# Altium PCB RYA_KiteUp.PcbDoc (part 1 of 3) (continued)
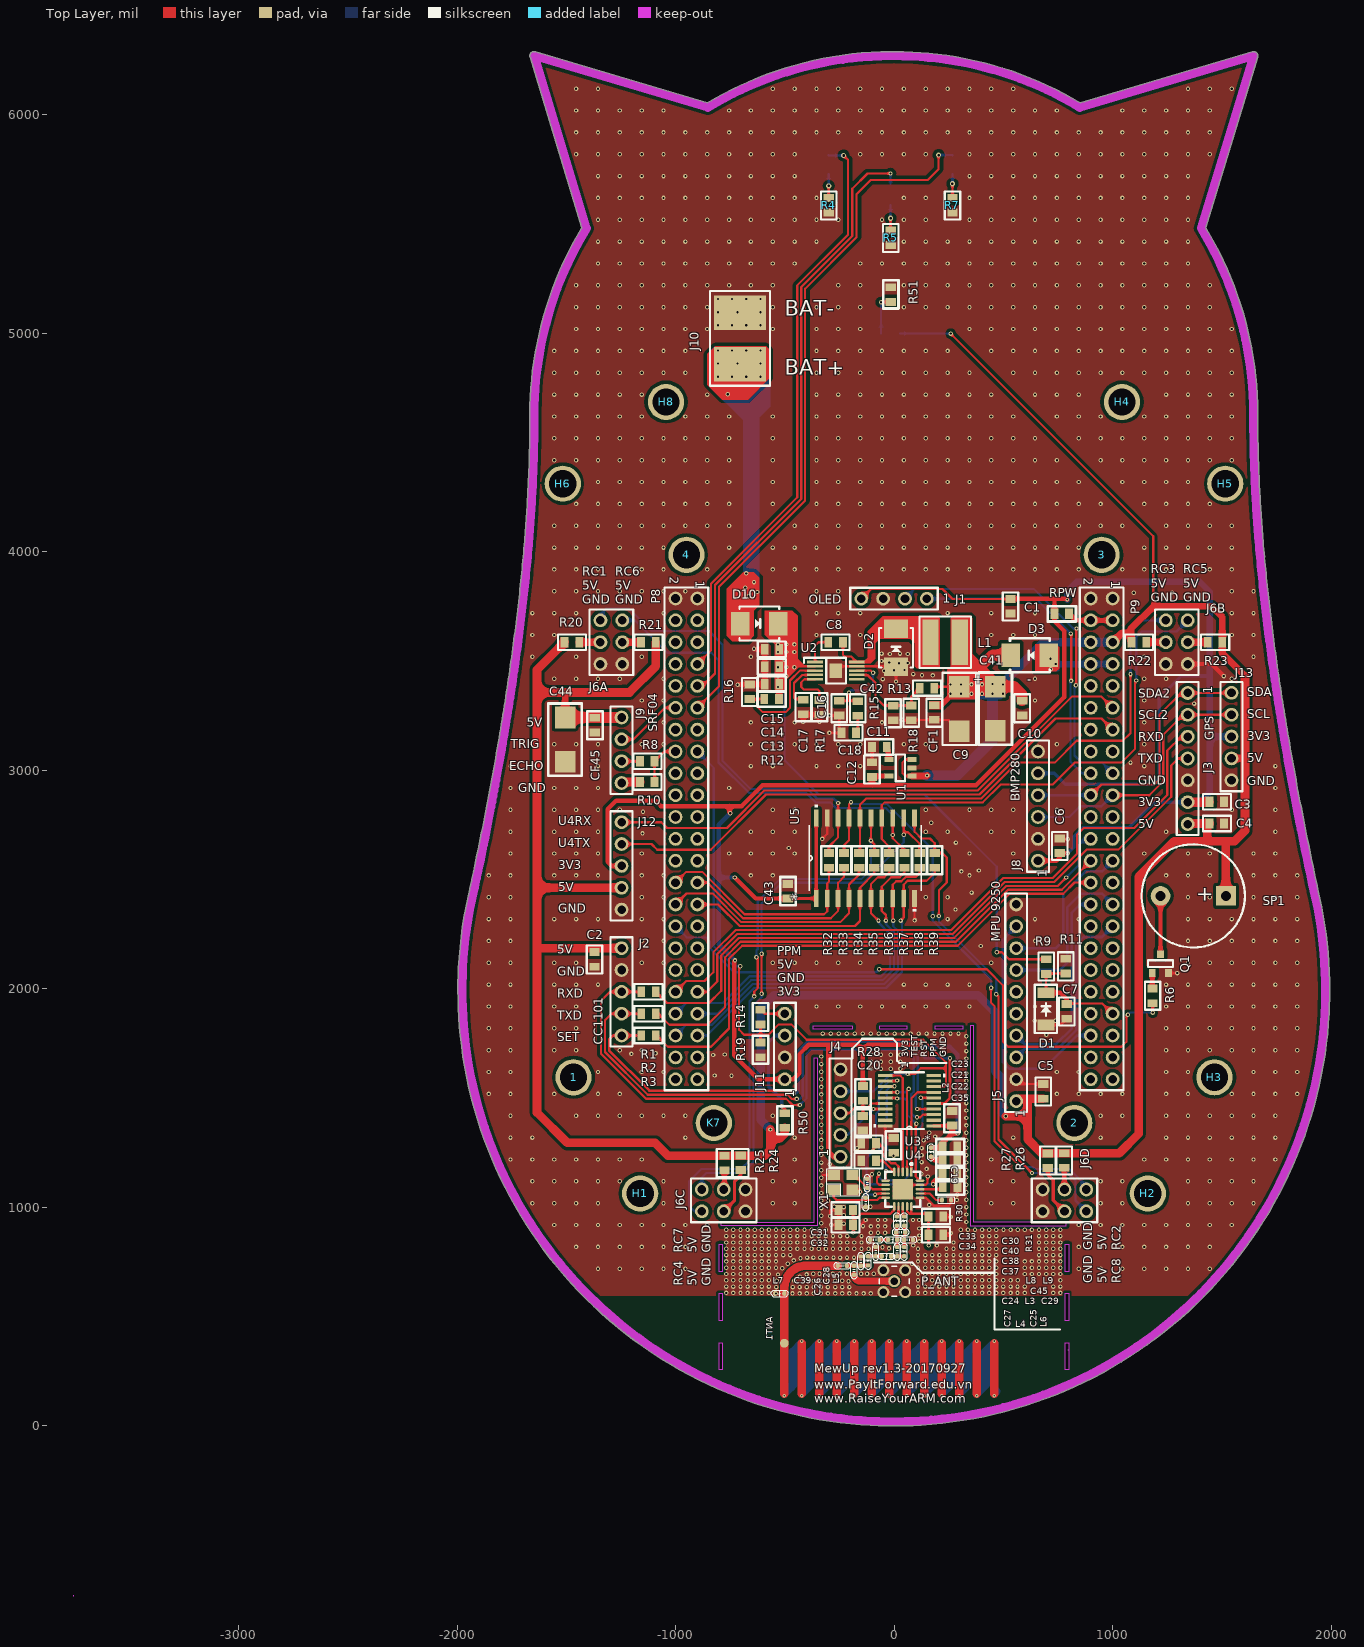
[diagram p0: Top Layer view]
## Footprints (in the part's own frame and the unit in brackets; to place one, negate y for a bottom-side part, rotate by r counter-clockwise, add the part's x,y. Pads: shape width x height; smd on the part's side, far side on the other; paste and mask are expansions set on the pad) (continued)

## Part data
C1 C2 C3 C4 C5 C6 C7 C8 C10 C11 C12 C13 C14 C15 C16 C17 C18 C19 C20 C21 C30 C31 C32 C33 C34 C35 C40 C42 C43 CF1 CF45: library part CAP_NONPOL, "Ceramic capacitor"
  C1 C2 C3 C4 C5 C6 C8 C15 C43 CF1: Link=http://tme.vn/Product.aspx?id=739#page=pro_info
  C7 C10: Link=http://tme.vn/Product.aspx?id=728#page=pro_info
  C11 C17: Link=http://tme.vn/Product.aspx?id=738#page=pro_info
  C12: Link=https://www.digikey.com/product-detail/en/samsung-electro-mechanics-america-inc/CL10B225KP8NNNC/1276-1134-1-ND/3889220
  C13 C14: Link=http://tme.vn/Product.aspx?id=422#page=pro_info
  C16 C42: Link=http://tme.vn/Product.aspx?id=1303#page=pro_info
  C18: Link=http://tme.vn/Product.aspx?id=1310#page=pro_info
C9 C41 C44: library part CAP_TANTA_47uF_16V_POL, "Tantalum SMD capacitor 47uF(+-10%),TAJC476K010RNJ"
  C9 C41: Link=http://tme.vn/Product.aspx?id=304#page=pro_info
C22: library part 100nF-16V-C0402, "CAP CER 2.2UF 10V X5R 0603", Capacitance=2.2µF, Manufacturer=Yageo, Manufacturer Part Number=CC0603KRX5R6BB225, Operating Temperature="-55°C ~ 85°C", Package / Case=0603, Ratings=-, Supplier Part Number 1=311-1451-2-ND, Temperature Coefficient=X5R, Tolerance=±10%, Voltage - Rated=10V, Applications="General Purpose", Category=Capacitors, ComponentLink1Description=http://www.yageo.com/documents/recent/UPY-GPHC_X5R_4V-to-50V-21.pdf, ComponentLink1URL=http://www.yageo.com/documents/recent/UPY-GPHC_X5R_4V-to-50V-21.pdf, Features=-, Height - Seated (Max)=-, Lead Spacing=-, Lead Style=-, Mounting Type="Surface Mount, MLCC", Packaging="Tape & Reel (TR)", Pricing 1="4000=0.01939, 8000=0.01804, 12000=0.01714, 28000=0.01624, 100000=0.01229 (USD)", RoHS="RoHS Compliant", Size / Dimension="0.063\" L x 0.031\" W (1.60mm x 0.80mm)", Stock 1=360000, Supplier 1=Digi-Key, Thickness (Max)="0.035\" (0.90mm)"
C23: library part 10pF-50V-C0402-5%, "CAP CER 4.7UF 10V X5R 0603", Capacitance=4.7µF, Manufacturer=Yageo, Manufacturer Part Number=CC0603KRX5R6BB475, Operating Temperature="-55°C ~ 85°C", Package / Case=0603, Ratings=-, Supplier Part Number 1=311-1455-1-ND, Temperature Coefficient=X5R, Tolerance=±10%, Voltage - Rated=10V, Applications="General Purpose", Category=Capacitors, ComponentLink1Description=http://www.yageo.com/documents/recent/UPY-GPHC_X5R_4V-to-50V-21.pdf, ComponentLink1URL=http://www.yageo.com/documents/recent/UPY-GPHC_X5R_4V-to-50V-21.pdf, Features=-, Height - Seated (Max)=-, Lead Spacing=-, Lead Style=-, Mounting Type="Surface Mount, MLCC", Packaging="Cut Tape (CT)", Pricing 1="1=0.15, 10=0.1, 25=0.0752, 100=0.0476, 250=0.04008, 500=0.03356, 1000=0.02755 (USD)", RoHS="RoHS Compliant", Size / Dimension="0.063\" L x 0.031\" W (1.60mm x 0.80mm)", Stock 1=521169, Supplier 1=Digi-Key, Thickness (Max)="0.035\" (0.90mm)"
C24: library part 3.3pF-50V-C0402-0.25pF, "CAP CER 3.9PF 50V NP0 0402", Capacitance=220pF, Manufacturer="Murata Electronics North America", Manufacturer Part Number=GRM1555C1H221JA01D, Operating Temperature="-55°C ~ 125°C", Package / Case=0402, Ratings=-, Supplier Part Number 1=490-1293-2-ND, Temperature Coefficient="C0G, NP0", Tolerance=±5%, Voltage - Rated=50V, Applications="General Purpose", Category=Capacitors, ComponentLink1Description=http://www.murata.com/~/media/webrenewal/support/library/catalog/products/capacitor/mlcc/c02e.pdf, ComponentLink1URL=http://www.murata.com/~/media/webrenewal/support/library/catalog/products/capacitor/mlcc/c02e.pdf, Features=-, Height - Seated (Max)=-, Lead Spacing=-, Lead Style=-, Mounting Type="Surface Mount, MLCC", Packaging="Tape & Reel (TR)", Pricing 1="10000=0.00336, 20000=0.0032, 30000=0.00304, 50000=0.00272, 100000=0.0022 (USD)", RoHS="RoHS Compliant", Size / Dimension="0.039\" L x 0.020\" W (1.00mm x 0.50mm)", Stock 1=470000, Supplier 1=Digi-Key, Thickness (Max)="0.022\" (0.55mm)"
C25 C29: library part 3.3pF-50V-C0402-0.25pF, "CAP CER 3.9PF 50V NP0 0402", Capacitance=3.9pF, Manufacturer="Murata Electronics North America", Manufacturer Part Number=GRM1555C1H3R9CZ01D, Operating Temperature="-55°C ~ 125°C", Package / Case=0402, Ratings=-, Supplier Part Number 1=490-1272-2-ND, Temperature Coefficient="C0G, NP0", Tolerance=±0.25pF, Voltage - Rated=50V, Applications="General Purpose", Category=Capacitors, ComponentLink1Description=http://media.digikey.com/pdf/Data%20Sheets/Murata%20PDFs/Chip%20Monolithic%20Ceramic%20Caps.pdf, ComponentLink1URL=http://media.digikey.com/pdf/Data%20Sheets/Murata%20PDFs/Chip%20Monolithic%20Ceramic%20Caps.pdf, Features=-, Height - Seated (Max)=-, Lead Spacing=-, Lead Style=-, Mounting Type="Surface Mount, MLCC", Packaging="Tape & Reel (TR)", Pricing 1="10000=0 (USD)", RoHS="RoHS Compliant", Size / Dimension="0.039\" L x 0.020\" W (1.00mm x 0.50mm)", Stock 1=0, Supplier 1=Digi-Key, Thickness (Max)="0.022\" (0.55mm)"
C26: library part 3.3pF-50V-C0402-0.25pF, "CAP CER 3.9PF 50V NP0 0402", Capacitance="220pF (DNP)", Manufacturer="Murata Electronics North America", Manufacturer Part Number=GRM1555C1H221JA01D, Operating Temperature="-55°C ~ 125°C", Package / Case=0402, Ratings=-, Supplier Part Number 1=490-1293-2-ND, Temperature Coefficient="C0G, NP0", Tolerance=±5%, Voltage - Rated=50V, Applications="General Purpose", Category=Capacitors, ComponentLink1Description=http://www.murata.com/~/media/webrenewal/support/library/catalog/products/capacitor/mlcc/c02e.pdf, ComponentLink1URL=http://www.murata.com/~/media/webrenewal/support/library/catalog/products/capacitor/mlcc/c02e.pdf, Features=-, Height - Seated (Max)=-, Lead Spacing=-, Lead Style=-, Mounting Type="Surface Mount, MLCC", Packaging="Tape & Reel (TR)", Pricing 1="10000=0.00336, 20000=0.0032, 30000=0.00304, 50000=0.00272, 100000=0.0022 (USD)", RoHS="RoHS Compliant", Size / Dimension="0.039\" L x 0.020\" W (1.00mm x 0.50mm)", Stock 1=470000, Supplier 1=Digi-Key, Thickness (Max)="0.022\" (0.55mm)"
C27: library part 8.2pF-50V-C0402-0.5pF, "GRM1555C1H8R2CZ01D", Capacitance=8.2pF, Manufacturer="Murata Electronics North America", Operating Temperature="-55°C ~ 125°C", Package / Case=0402, Ratings=-, Supplier Part Number 1=GRM1555C1H8R2CZ01D-ND, Temperature Coefficient="C0G, NP0", Tolerance=±0.25pF, Voltage - Rated=50V, Applications="General Purpose", Category=Capacitors, ComponentLink1Description=http://media.digikey.com/pdf/Data%20Sheets/Murata%20PDFs/Chip%20Monolithic%20Ceramic%20Caps.pdf, ComponentLink1URL=http://media.digikey.com/pdf/Data%20Sheets/Murata%20PDFs/Chip%20Monolithic%20Ceramic%20Caps.pdf, Features=-, Height - Seated (Max)=-, Lead Spacing=-, Lead Style=-, Manufacturer Part Number=GRM1555C1H8R2CZ01D, Mounting Type="Surface Mount, MLCC", Packaging="Tape & Reel (TR)", Pricing 1="60000=0 (USD)", RoHS="RoHS Compliant", Size / Dimension="0.039\" L x 0.020\" W (1.00mm x 0.50mm)", Stock 1=0, Supplier 1=Digi-Key, Thickness (Max)="0.022\" (0.55mm)"
C28: library part 5.6pF-50V-C0402-0.5pF, "CAP CER 5.6PF 50V NP0 0402", Capacitance=5.6pF, Manufacturer="Murata Electronics North America", Manufacturer Part Number=GRM1555C1H5R6CZ01D, Operating Temperature="-55°C ~ 125°C", Package / Case=0402, Ratings=-, Supplier Part Number 1=GRM1555C1H5R6CZ01D-ND, Temperature Coefficient="C0G, NP0", Tolerance=±0.25pF, Voltage - Rated=50V, Applications="General Purpose", Category=Capacitors, ComponentLink1Description=http://media.digikey.com/pdf/Data%20Sheets/Murata%20PDFs/Chip%20Monolithic%20Ceramic%20Caps.pdf, ComponentLink1URL=http://media.digikey.com/pdf/Data%20Sheets/Murata%20PDFs/Chip%20Monolithic%20Ceramic%20Caps.pdf, Features=-, Height - Seated (Max)=-, Lead Spacing=-, Lead Style=-, Mounting Type="Surface Mount, MLCC", Packaging="Tape & Reel (TR)", Pricing 1="60000=0 (USD)", RoHS="RoHS Compliant", Size / Dimension="0.039\" L x 0.020\" W (1.00mm x 0.50mm)", Stock 1=0, Supplier 1=Digi-Key, Thickness (Max)="0.022\" (0.55mm)"
C37 C38: library part 10pF-50V-C0402-5%, "CAP CER 10PF 50V NPO 0402", Digi-Key Part Number=311-1014-1-ND, Manufacturer=Yageo, Manufacturer Part Number=CC0402JRNPO9BN100, Unit Price=0.00312
C39: library part 3.3pF-50V-C0402-0.25pF, "CAP CER 3.9PF 50V NP0 0402", Capacitance=0.9pF, Manufacturer="Murata Electronics North America", Manufacturer Part Number=GRM1555C1H221JA01D, Operating Temperature="-55°C ~ 125°C", Package / Case=0402, Ratings=-, Supplier Part Number 1=490-1293-2-ND, Temperature Coefficient="C0G, NP0", Tolerance=±5%, Voltage - Rated=50V, Applications="General Purpose", Category=Capacitors, ComponentLink1Description=http://www.murata.com/~/media/webrenewal/support/library/catalog/products/capacitor/mlcc/c02e.pdf, ComponentLink1URL=http://www.murata.com/~/media/webrenewal/support/library/catalog/products/capacitor/mlcc/c02e.pdf, Features=-, Height - Seated (Max)=-, Lead Spacing=-, Lead Style=-, Mounting Type="Surface Mount, MLCC", Packaging="Tape & Reel (TR)", Pricing 1="10000=0.00336, 20000=0.0032, 30000=0.00304, 50000=0.00272, 100000=0.0022 (USD)", RoHS="RoHS Compliant", Size / Dimension="0.039\" L x 0.020\" W (1.00mm x 0.50mm)", Stock 1=470000, Supplier 1=Digi-Key, Thickness (Max)="0.022\" (0.55mm)"
C45: library part 3.3pF-50V-C0402-0.25pF, "CAP CER 3.9PF 50V NP0 0402", Capacitance=TBD, Manufacturer="Murata Electronics North America", Manufacturer Part Number=GRM1555C1H3R9CZ01D, Operating Temperature="-55°C ~ 125°C", Package / Case=0402, Ratings=-, Supplier Part Number 1=490-1272-2-ND, Temperature Coefficient="C0G, NP0", Tolerance=±0.25pF, Voltage - Rated=50V, Applications="General Purpose", Category=Capacitors, ComponentLink1Description=http://media.digikey.com/pdf/Data%20Sheets/Murata%20PDFs/Chip%20Monolithic%20Ceramic%20Caps.pdf, ComponentLink1URL=http://media.digikey.com/pdf/Data%20Sheets/Murata%20PDFs/Chip%20Monolithic%20Ceramic%20Caps.pdf, Features=-, Height - Seated (Max)=-, Lead Spacing=-, Lead Style=-, Mounting Type="Surface Mount, MLCC", Packaging="Tape & Reel (TR)", Pricing 1="10000=0 (USD)", RoHS="RoHS Compliant", Size / Dimension="0.039\" L x 0.020\" W (1.00mm x 0.50mm)", Stock 1=0, Supplier 1=Digi-Key, Thickness (Max)="0.022\" (0.55mm)"
D3 D10: library part SS24, Link=http://tme.vn/Product.aspx?id=639#page=pro_info
J1 J9 J11: library part "Header 4"
J2: library part "Header 5"
J3: library part "Header 7"
J10: library part VBATHEADER
L1: library part Inductor
L2: library part 8.2nH-500mA-0402, "FERRITE BEAD 1 KOHM 0402 1LN", Current Rating (Max)=250mA, DC Resistance (DCR) (Max)="1.1 Ohm", Impedance @ Frequency="1 kOhm @ 100MHz", Manufacturer="Murata Electronics North America", Manufacturer Part Number=BLM15HG102SN1D, Operating Temperature="-55°C ~ 125°C", Package / Case=0402, Ratings=-, Supplier Part Number 1=490-3999-2-ND, Category=Filters, ComponentLink1Description=http://search.murata.co.jp/Ceramy/image/img/PDF/ENG/L0110S0101BLM15H.pdf, ComponentLink1URL=http://search.murata.co.jp/Ceramy/image/img/PDF/ENG/L0110S0101BLM15H.pdf, Filter Type="Signal Line", Height (Max)="0.022\" (0.55mm)", Mounting Type="Surface Mount", Number of Lines=1, Packaging="Tape & Reel (TR)", Pricing 1="10000=0.0509, 20000=0.04844, 30000=0.04713 (USD)", RoHS="RoHS Compliant", Size / Dimension="0.039\" L x 0.020\" W (1.00mm x 0.50mm)", Stock 1=230000, Supplier 1=Digi-Key
L3 L5 L6: library part 8.2nH-500mA-0402, "FIXED IND 27NH 300MA 460 MOHM", Current - Saturation=-, Current Rating=300mA, DC Resistance (DCR)="460 mOhm Max", Frequency - Self Resonant=1.7GHz, Frequency - Test=100MHz, Inductance=27nH, Manufacturer="Murata Electronics North America", Manufacturer Part Number=LQG15HS27NJ02D, Operating Temperature="-55°C ~ 125°C", Package / Case=0402, Q @ Freq="8 @ 100MHz", Supplier Part Number 1=490-2628-2-ND, Tolerance=±5%, Category="Inductors, Coils, Chokes", ComponentLink1Description=http://search.murata.co.jp/Ceramy/image/img/PDF/ENG/L0075S0083LQG15HS.pdf, ComponentLink1URL=http://search.murata.co.jp/Ceramy/image/img/PDF/ENG/L0075S0083LQG15HS.pdf, Height - Seated (Max)="0.022\" (0.55mm)", Material - Core=Air, Mounting Type="Surface Mount", Packaging="Tape & Reel (TR)", Pricing 1="10000=0.01872, 30000=0.01814, 50000=0.01755, 100000=0.01697 (USD)", Ratings=-, RoHS="RoHS Compliant", Shielding=Unshielded, Size / Dimension="0.039\" L x 0.020\" W (1.00mm x 0.50mm)", Stock 1=120000, Supplier 1=Digi-Key, Type=Multilayer
L4: library part 8.2nH-500mA-0402, "FIXED IND 22NH 300MA 420 MOHM", Current - Saturation=-, Current Rating=300mA, DC Resistance (DCR)="420 mOhm Max", Frequency - Self Resonant=1.9GHz, Frequency - Test=100MHz, Inductance=22nH, Manufacturer="Murata Electronics North America", Manufacturer Part Number=LQG15HS22NJ02D, Operating Temperature="-55°C ~ 125°C", Package / Case=0402, Q @ Freq="8 @ 100MHz", Supplier Part Number 1=490-2627-1-ND, Tolerance=±5%, Category="Inductors, Coils, Chokes", ComponentLink1Description=http://search.murata.co.jp/Ceramy/image/img/PDF/ENG/L0075S0083LQG15HS.pdf, ComponentLink1URL=http://search.murata.co.jp/Ceramy/image/img/PDF/ENG/L0075S0083LQG15HS.pdf, Height - Seated (Max)="0.022\" (0.55mm)", Material - Core=Air, Mounting Type="Surface Mount", Packaging="Cut Tape (CT)", Pricing 1="1=0.1, 10=0.059, 25=0.0528, 50=0.0456, 100=0.041, 250=0.03804, 500=0.0351, 750=0.03335, 1000=0.03042 (USD)", Ratings=-, RoHS="RoHS Compliant", Shielding=Unshielded, Size / Dimension="0.039\" L x 0.020\" W (1.00mm x 0.50mm)", Stock 1=250711, Supplier 1=Digi-Key, Type=Multilayer
L7: library part 8.2nH-500mA-0402, "FIXED IND 27NH 300MA 460 MOHM", Current - Saturation=-, Current Rating=300mA, DC Resistance (DCR)="460 mOhm Max", Frequency - Self Resonant=1.7GHz, Frequency - Test=100MHz, Inductance=56nH, Manufacturer="Murata Electronics North America", Manufacturer Part Number=LQG15HS27NJ02D, Operating Temperature="-55°C ~ 125°C", Package / Case=0402, Q @ Freq="8 @ 100MHz", Supplier Part Number 1=490-2628-2-ND, Tolerance=±5%, Category="Inductors, Coils, Chokes", ComponentLink1Description=http://search.murata.co.jp/Ceramy/image/img/PDF/ENG/L0075S0083LQG15HS.pdf, ComponentLink1URL=http://search.murata.co.jp/Ceramy/image/img/PDF/ENG/L0075S0083LQG15HS.pdf, Height - Seated (Max)="0.022\" (0.55mm)", Material - Core=Air, Mounting Type="Surface Mount", Packaging="Tape & Reel (TR)", Pricing 1="10000=0.01872, 30000=0.01814, 50000=0.01755, 100000=0.01697 (USD)", Ratings=-, RoHS="RoHS Compliant", Shielding=Unshielded, Size / Dimension="0.039\" L x 0.020\" W (1.00mm x 0.50mm)", Stock 1=120000, Supplier 1=Digi-Key, Type=Multilayer
L8 L9: library part 8.2nH-500mA-0402, "FIXED IND 27NH 300MA 460 MOHM", Current - Saturation=-, Current Rating=300mA, DC Resistance (DCR)="460 mOhm Max", Frequency - Self Resonant=1.7GHz, Frequency - Test=100MHz, Inductance=0R, Manufacturer="Murata Electronics North America", Manufacturer Part Number=LQG15HS27NJ02D, Operating Temperature="-55°C ~ 125°C", Package / Case=0402, Q @ Freq="8 @ 100MHz", Supplier Part Number 1=490-2628-2-ND, Tolerance=±5%, Category="Inductors, Coils, Chokes", ComponentLink1Description=http://search.murata.co.jp/Ceramy/image/img/PDF/ENG/L0075S0083LQG15HS.pdf, ComponentLink1URL=http://search.murata.co.jp/Ceramy/image/img/PDF/ENG/L0075S0083LQG15HS.pdf, Height - Seated (Max)="0.022\" (0.55mm)", Material - Core=Air, Mounting Type="Surface Mount", Packaging="Tape & Reel (TR)", Pricing 1="10000=0.01872, 30000=0.01814, 50000=0.01755, 100000=0.01697 (USD)", Ratings=-, RoHS="RoHS Compliant", Shielding=Unshielded, Size / Dimension="0.039\" L x 0.020\" W (1.00mm x 0.50mm)", Stock 1=120000, Supplier 1=Digi-Key, Type=Multilayer
LED1 LED2 LED3 LED4 LED_PW: "LED Blue", ComponentLink1Description=Datasheet, ComponentLink1URL="D:\Dropbox\Datasheets\Opto and Illumination\LEDs\SMD LED.pdf", Unit Price=0.0476
  LED1 LED2 LED3: Link=http://tme.vn/Product.aspx?id=2014#page=pro_info
  LED_PW: Link=http://tme.vn/Product.aspx?id=2016#page=pro_info
P_ANT: "RF Coaxial PCB Connector, MMCX; Thru-Hole, Vertical Mount Plug,  50 Ohm Impedance", PackageDocument="Rev. A, 16-Jun-1997", ComponentLink1Description="Manufacturer Link", ComponentLink1URL=http://www.amphenolrf.com/, DatasheetDocument=30-May-2003, DrillSize="Corresponds to nominal value.", LatestRevisionDate=15-Jul-2004, LatestRevisionNote="Component Replaced.", PackageReference=908-21103, PCB_Layout="Complies with manufacturer's recommendation.", Published=15-Jul-2004, Publisher="Altium Limited"
R1 R2 R3 R4 R5 R6 R7 R8 R9 R10 R11 R12 R13 R14 R15 R16 R17 R18 R19 R20 R21 R22 R23 R24 R25 R26 R27 R28 R31 R32 R33 R34 R35 R36 R37 R38 R39 R50 R51 RPW: library part "Res 1/4W", "Resistor through hole 1/4W"
  R4 R5 R7 R11: Link=http://tme.vn/Product.aspx?id=711#page=pro_info
  R6 R9 R18: Link=http://tme.vn/Product.aspx?id=712#page=pro_info
  R8 R14 R51: Link=http://tme.vn/Product.aspx?id=737#page=pro_info
  R10: Link=http://tme.vn/Product.aspx?id=722#page=pro_info
  R12: Link=https://www.digikey.com/product-detail/en/yageo/RC0603FR-07332KL/311-332KHRCT-ND/730112
  R13: Link=https://www.digikey.com/product-detail/en/yageo/RC0603FR-0752K3L/311-52.3KHRCT-ND/730237
  R15 R17: Link=https://www.digikey.com/product-detail/en/yageo/RC0603FR-0790K9L/311-90.9KHRCT-ND/730371
  R16: Link=https://www.digikey.com/product-detail/en/yageo/RC0603FR-0761K9L/311-61.9KHRCT-ND/730279
R30: library part 56k-1%-R0402, "RES 56.0K OHM 1/16W 1% 0402 SMD", Digi-Key Part Number=311-56.0KLRTR-ND, Manufacturer=Yageo, Manufacturer Part Number=RC0402FR-0756KL, Unit Price=0.00149
SP1: "Buzzer through hole (3V3/5V/12V)", Link=http://tme.vn/Product.aspx?id=1112#page=pro_info
U3: "Imported", Manufacturer="Texas Instruments", Manufacturer_Part_Number=msp430g2553_pw_20, PACKAGE_DESIGNATOR=PW, Datasheet_URL=http://www.ti.com/lit/gpn/MSP430G2553, FAMILY_NAME="Value Line", GENERIC_PART_NUMBER=MSP430G2553, INDUSTRY_STD_PKG_TYPE=TSSOP, PIN_COUNT=20, RefDes=RefDes, Type=Type, Vendor="Texas Instruments"
U4: "IC RF TXRX ISM<1GHZ 20-VFQFN", Current - Receiving="14.3mA ~ 17.1mA", Current - Transmitting="12.3mA ~ 34.2mA", Frequency="300MHz ~ 348MHz, 387MHz ~ 464MHz, 779MHz ~ 928MHz", Manufacturer="Texas Instruments", Operating Temperature="-40°C ~ 85°C", Package / Case="20-VFQFN Exposed Pad", Power - Output=12dBm, Supplier Part Number 1=296-35719-2-ND, Voltage - Supply="1.8 V ~ 3.6 V", Category="RF/IF and RFID", ComponentLink1Description=http://www.ti.com/lit/ds/symlink/cc110l.pdf, ComponentLink1URL=http://www.ti.com/lit/ds/symlink/cc110l.pdf, Data Rate (Max)=600kbps, GPIO=-, Manufacturer Part Number=CC110LRGPR, Memory Size=-, Modulation="2FSK, 4FSK, GFSK, MSK, OOK", Packaging="Tape & Reel (TR)", Pricing 1="3000=1.9285, 6000=1.84875, 15000=1.8125 (USD)", Protocol=-, RF Family/Standard="General ISM < 1GHz", RoHS="RoHS Compliant", Sensitivity=-116dBm, Serial Interfaces=SPI, Stock 1=0, Supplier 1=Digi-Key, Type="TxRx Only"
U5: "Imported", Manufacturer="Texas Instruments", Manufacturer_Part_Number=sn74hct245_db_20, PACKAGE_DESIGNATOR=DB, Datasheet_URL=http://www.ti.com/lit/gpn/SN74HCT245, FAMILY_NAME="STANDARD TRANSCEIVER", GENERIC_PART_NUMBER=SN74HCT245, INDUSTRY_STD_PKG_TYPE=SSOP, Link=http://tme.vn/Product.aspx?id=500#page=pro_info, PIN_COUNT=20, RefDes=RefDes, Type=Type, Vendor="Texas Instruments"
X1: library part CX3225SB26000D0FFFCC, "CRYSTAL 26.0000MHZ 8PF SMD", ESR (Equivalent Series Resistance)="50 Ohm", Frequency=26MHz, Frequency Stability=±15ppm, Frequency Tolerance=±10ppm, Load Capacitance=8pF, Manufacturer="AVX Corp/Kyocera Corp", Operating Mode=Fundamental, Operating Temperature="-20°C ~ 70°C", Package / Case="4-SMD, No Lead (DFN, LCC)", Ratings=-, Supplier Part Number 1=1253-1354-2-ND, Category="Crystals and Oscillators", ComponentLink1Description=http://media.digikey.com/pdf/Data%20Sheets/Optrex%20PDFs/CX3225SByyy00D0FFFCC_Spec.pdf, ComponentLink1URL=http://media.digikey.com/pdf/Data%20Sheets/Optrex%20PDFs/CX3225SByyy00D0FFFCC_Spec.pdf, Height="0.024\" (0.60mm)", Manufacturer Part Number=CX3225SB26000D0FFFCC, Mounting Type="Surface Mount", Packaging="Tape & Reel (TR)", Pricing 1="3000=0.406, 6000=0.392, 15000=0.378 (USD)", RoHS="RoHS Compliant", Size / Dimension="0.126\" L x 0.098\" W (3.20mm x 2.50mm)", Stock 1=3000, Supplier 1=Digi-Key, Type="MHz Crystal"
ANT1: LatestRevisionDate=17-Jul-2002, LatestRevisionNote="Re-released for DXP Platform.", Publisher="Altium Limited"
D2: Link=http://tme.vn/Product.aspx?id=1408#page=pro_info
Q1: Link=http://tme.vn/Product.aspx?id=415#page=pro_info

## Via types
v1: diameter 20, hole 10, Top Layer to Bottom Layer, tented both sides, 1654 vias
v2: diameter 16, hole 8, Top Layer to Bottom Layer, tented both sides, 26 vias
v3: diameter 23.62, hole 11.81, Top Layer to Bottom Layer, tented both sides, 5 vias

## Nets (pads, with @x,y where several pads share a name; then routed paths per layer and width w, separated by ;. In a path a pad name is that pad's centre, name@x,y a point inside that pad or via, vN(x,y) a via of type N, cw(c..) or ccw(c..) an arc to the next point about the centre after c; other vN are vias at no path point)
3V3: C1.2 C4.2 C6.1 C12.2 C19.1 C23.2 C43.2 J1.4 J3.6 J4.1 J8.1 J8.5 J11.1 J12.3 J13.3 L2.2 R28.1 RPW.2 U1.5 U3.1 U5.1 U5.20 | length 12993
  Top Layer w10: J1.4@-150.1,3784.94 -105.6,3829.44 221.41,3829.44 266.98,3783.87 C1.2@532.9,3783.87
  Top Layer w15: -616,2413 -356.5,2413 U5.20@-356.5,2782 ; U3.1@181.1,1372.83 C19.1@264.76,1372.83 ; C6.1@758.85,2620 v1(794,2620)
  Top Layer w20: J12.3@-1247.04,2562.27 -1292.27,2562.27 -1311,2581 -1311,2821 -1272,2860 -1091,2860 -1067,2836 -753,2836 ; v1(-750,2803) -753,2806 -753,2836 ; v1(-729,2509) -633.07,2413.07 C43.2@-486,2413.07 ; v1(-728,2130) -732,2126 -732,1696 -621.93,1585.93 J11.1@-499.97,1585.93 -461.07,1585.93 -433,1614 -433,1701 -390,1744 -300.81,1744 ; -299,1742.19 -300.81,1744 ; R28.1@-142.54,1554.91 -142.54,1720.46 ; U1.5@-24.05,2973.65 -96.38,2973.65 C12.2@-100.9,2969.13 -100.9,2931 ; v1(123,1744) -119,1744 -142.54,1720.46 ; L2.2@169,1273 217.77,1273 C23.2@222.07,1277.3 222.07,1295.31 264.76,1338 ; C19.1@264.76,1372.83 264.76,1338 ; v1(291,1338) 264.76,1338 ; C1.2@533.98,3784.94 789,3784.94 792.94,3781 v2(793,3781) ; J8.1@658.79,2585.93 742.89,2585.93 757.9,2600.94 C6.1@757.9,2620.94 ; 734.07,3784.87 RPW.2@734.07,3716 734.07,3681.93 778.9,3637.1 778.9,3334.89 375.02,2931 -100.9,2931 ; -753,2836 -696.98,2836 -601.98,2931 -100.9,2931 ; -300.81,1744 -166.07,1744 -142.54,1720.46
  Top Layer w23.62: -299,1742.19 -299,1253 -276.94,1230.94 J4.1@-245.1,1230.94 J4.1@-241.1,1230.94
  Top Layer w40: J3.6@1343.82,2853.78 1440.81,2853.78 C4.2@1442.98,2855.94
  Bottom Layer w15: J8.5@658.79,2985.93 733.92,2985.93 783.9,2935.94 1186.94,2935.94 1214,2963 1214,3332 1312.94,3430.94 1444.06,3430.94 ; v1(794,2620) 822,2648 822,2696 863,2737 1074,2737 1190.78,2853.78 J3.6@1343.82,2853.78
  Bottom Layer w20: v1(-750,2803) -802,2751 -802,2509 ; v1(-729,2509) -802,2509 ; v1(-728,2130) -802,2204 -802,2509 ; v1(123,1744) 133,1734 255,1734 290,1699 290,1339 v1(291,1338)
  Bottom Layer w30: v2(793,3781) 793,3819 837,3863 1399,3863 1445,3817 1445,3430 ; J3.6@1343.82,2853.78 1397.78,2853.78 1445,2901 1445,3154 ; 1444.06,3430.94 1445,3430 ; 1445.17,3154.17 1445,3154 ; J13.3@1543.94,3154 1445,3154 ; 1445,3154 1445,3430
3V3_BBG: P9.3 P9.4 RPW.1 | length 211.5
  Top Layer w20: RPW.1@801,3716 831.07,3685.93 P9.4@900.03,3685.93 P9.3@1000.03,3685.93
5V: C2.2 C3.2 C5.1 C9.1 C10.2 C41.1 C44.1 CF1.2 CF45.2 D3.2 J2.5 J3.7 J5.1 J9.1 J12.4 J13.4 L1.2 LED_PW.1 P9.5 P9.6 R13.1 R20.2 R21.1 R22.2 R23.1 R24.2 R25.1 R26.2 R27.1 R50.2 SP1.1 U1.1 U1.3 | length 17034.4
  Top Layer w10: U1.1@82.25,2973.65 51.5,2973.65 39.1,2986.06 39.1,3036.06 51.5,3048.46 U1.3@82.25,3048.46 ; CF1.2@183.9,3297.52 214.1,3297.52 C9.1@298.9,3382.32 ; R13.1@183.9,3375.94 190.28,3382.32 C9.1@298.9,3382.32 ; v1(259,4998) 1186.24,4070.76 1186.24,3750.24 ; L1.2@300.83,3585.94 300.83,3384.25 C9.1@298.9,3382.32 ; C9.1@304.32,3382.32 414.46,3382.32 C41.1@443.43,3353.35
  Top Layer w30: C44.1@-1505,3241.38 -1505,3354.94 ; U1.1@82.25,2973.65 148.65,2973.65 v1(151,2976)
  Top Layer w31.5: P9.5@1000.03,3585.93 1041.1,3627 1083.9,3627 ; R22.2@1083.9,3585.67 1083.9,3627 ; J13.4@1544.12,3054.17 1604.38,3054.17 ; 1605.95,3430.55 1502.01,3534.49 R23.1@1502.01,3585.93 1502.01,3700.24 1452.01,3750.24 1186.24,3750.24 1083.9,3647.9 1083.9,3627
  Top Layer w39.37: -1634,3459.97 R20.2@-1508.02,3585.94 ; -1633.07,2185.93 -1347.04,2185.93 ; -1094,1295 -1034.94,1235.94 R25.1@-776.1,1235.94 -591.06,1235.94 -566.1,1260.9 -566.1,1316 ; -1091.1,3475.94 R21.1@-1091.1,3585.94 ; v1(-566.1,1355.94) -566.1,1316 ; R50.2@-500.04,1364 -500.04,1337.96 -522,1316 -566.1,1316 ; C9.1@298.9,3382.32 C9.1@304.32,3382.32 ; v1(511,1417) 611.98,1417 611.98,1311.02 675.13,1247.87 R26.2@778.9,1247.87 1030.83,1247.87 1118.89,1335.93 1118.89,2512.89 1282,2676 1448,2676 ; 1432.98,2691.02 1448,2676 ; SP1.1@1518.61,2425 1518.61,2675.61 ; 1605.95,3430.55 1605.95,2723 1558.95,2676 1448,2676
  Top Layer w40: -1634,3459.97 -1634,3355.94 ; -1347.04,2185.93 J2.5@-1247.04,2185.93 ; J12.4@-1247.04,2462.27 -1634,2462.27 ; -1094,1295 -1495,1295 -1634,1434 -1634,2462.27 ; -1091.1,3475.94 -1211.13,3355.91 -1247.04,3355.91 -1247.07,3355.94 -1634,3355.94 ; J5.1@559,1486 570,1497 618,1497 ; 611.98,1417 611.98,1490.98 618,1497 ; C5.1@682,1497 618,1497 ; J3.7@1343.82,2753.78 1345.98,2755.94 C3.2@1432.98,2755.94 ; 1432.98,2691.02 C3.2@1432.98,2755.94 ; C3.2@1442.98,2755.94 C3.2@1432.98,2755.94 ; -1634,2462.27 -1634,3355.94
  Top Layer w50: C44.1@-1505,3241.38 J9.1@-1247.17,3241.38 ; C9.1@304.32,3382.32 448,3526 D3.2@533.99,3526 ; C41.1@463,3383.23 549.77,3383.23 586,3347 C10.2@586,3317.93
  Bottom Layer w10: LED_PW.1@27.31,4998 v1(259,4998)
  Bottom Layer w39.37: v1(-566.1,1355.94) -610,1399.85 -610,1911 -550,1971 383,1971 463,1891 463,1622 493,1592 493,1435 v1(511,1417) ; 298.9,3382.32 354.54,3382.32 481.32,3382.32 684.93,3585.93 P9.6@900.03,3585.93 P9.5@1000.03,3585.93
  Bottom Layer w50: v1(151,2976) 152,2975 287,2975 450.18,3138.18 v1(450.18,3350)
  other v1: 258.9,3350 306.72,3350 354.54,3350 402.36,3350 498,3350 258.9,3392.94 306.72,3392.94 354.54,3392.94 402.36,3392.94 498,3392.94 450.18,3395
5V_BBG: D3.1 P9.7 P9.8 | length 312
  Top Layer w30: D3.1@688.01,3486 D3.1@739.86,3486
  Bottom Layer w30: v1(739.93,3485.93) P9.8@900.03,3485.93 P9.7@1000.03,3485.93
  other v1: 717,3463 716,3510
+3.3V_CC110: C21.2 C22.2 C30.2 C31.2 C32.2 C33.2 C34.2 C35.2 L2.1 U4.4 U4.9 U4.11 U4.14 U4.15 U4.18 | length 2314.1
  Top Layer w10: C31.2@-187.5,987.98 -187.5,947.94 ; v1(-186.1,884.73) -186.1,903.51 -187.5,904.91 C32.2@-187.5,919.91 -187.5,947.94 ; v1(-95,1256) -95,1302.78 -94,1303.78 C30.2@-83.17,1292.94 -70.49,1292.94 -49.77,1272.23 -49.77,1237.45 -14.33,1202 6,1202 20.22,1187.78 U4.4@20.22,1161.68 ; v1(-87.1,1057.94) -81.78,1063.26 U4.9@-38.84,1063.26 ; U4.11@0.53,1004.2 0.53,987.53 -16.06,970.94 -151.1,970.94 -174.1,947.94 -187.5,947.94 ; U4.14@59.59,1004.2 59.59,982.41 71.06,970.94 78.9,970.94 ; U4.15@79.27,1004.2 79.27,971.31 78.9,970.94 ; U4.18@118.64,1082.94 212.98,1082.94 C35.2@222.98,1092.94 ; v1(158.9,825.94) 157.98,826.87 C34.2@157.98,874.91 C33.2@157.98,957.98 145.01,970.94 78.9,970.94
  Top Layer w20: L2.1@169,1231 183.85,1216.15 C21.2@222.07,1216.15 C22.2@222.07,1155 222.07,1125.94 ; v1(178.9,1105.94) 178.9,1114.94 189.9,1125.94 222.07,1125.94 ; C35.2@222.98,1092.94 222.07,1093.85 222.07,1125.94
  Bottom Layer w10: v1(-186.1,884.73) -186.1,997.9 -126.1,1057.9 ; -126.04,1105.94 125.9,1105.94 ; v1(-95,1256) -126.1,1224.9 -126.1,1057.9 ; v1(-87.1,1057.94) -126.06,1057.94 -126.1,1057.9 ; v1(158.9,825.94) 158.9,961.94 125.9,994.94 125.9,1105.94 ; v1@169.9,1105.94 125.9,1105.94
BUZZER: P8.32 R6.2 | length 2767
  Top Layer w10: v1(-68,2089) 425,2089 498,2016 498,1759 522,1735 1041,1735 1063,1757 1063,1874 v1(1070,1881) ; R6.2@1183,1934 1183,1892 v1(1184,1891)
  Bottom Layer w10: P8.32@-999.97,2285.93 -949.18,2235.14 -863.14,2235.14 -843,2215 -843,2186.54 -732.14,2075.68 -81.32,2075.68 v1(-68,2089) ; v1(1070,1881) 1080,1891 v1(1184,1891)
CC1101_UART_RX: J2.3 R1.1 U3.3 | length 2582.5
  Top Layer w10: R1.1@-1157.1,1985.94 J2.3@-1247.04,1985.93 -1300.07,1985.93 -1341,1945 -1341,1703 -1135,1497 -494,1497 -465,1468 v1(-431,1468) ; v1(105,1412) 120,1412 132.01,1424.01 U3.3@181.1,1424.01
  Bottom Layer w10: v1(-431,1468) -400,1499 -400,1703 -382,1721 51,1721 90,1682 90,1529 79,1518 79,1430.46 97.46,1412 v1(105,1412)
CC1101_UART_SET: J2.1 R3.1 U3.5 | length 2351.1
  Top Layer w10: J2.1@-1247.04,1785.93 R3.1@-1157.1,1785.94
  Top Layer w11.81: J2.1@-1247.04,1785.93 -1286.07,1785.93 -1304.09,1767.91 -1304.09,1718.29 -1119.71,1533.91 -478.71,1533.91 -465.81,1521 v1(-460,1521) ; U3.5@181.1,1475.19 231.19,1475.19 256,1500 v1(256,1682)
  Bottom Layer w11.81: v1(-460,1521) -449,1521 -436.91,1533.09 -436.91,1718.29 -397.29,1757.91 66.29,1757.91 142.19,1682 v1(256,1682)
CC1101_UART_TX: J2.2 R2.1 U3.4 | length 2404.2
  Top Layer w10: R2.1@-1157.1,1885.94 J2.2@-1247.04,1885.93 -1293.07,1885.93 -1323,1856 -1323,1710.46 -1127.54,1515 -486.54,1515 -467.54,1496 v1(-445,1496) ; v1(106.4,1449.6) U3.4@181.1,1449.6
  Bottom Layer w10: v1(-445,1496) -431,1496 -418,1509 -418,1710.46 -389.46,1739 58.46,1739 108,1689.46 108,1521.54 99,1512.54 99,1457 v1(106.4,1449.6)